# Altium PCB DM3370.PcbDoc (part 4 of 9)
Units mm, origin at the board's own origin, x right, y up, seen from the top; angles counter-clockwise.
Board outline 114.8 x 103.43 mm, 6 copper layers (Top Copper, GND 1, PWR, Signal Layer 1, GND 2, Bottom Copper), stack 1.599 mm thick; 540 components, 427 nets, 2136 pads, 1770 vias.
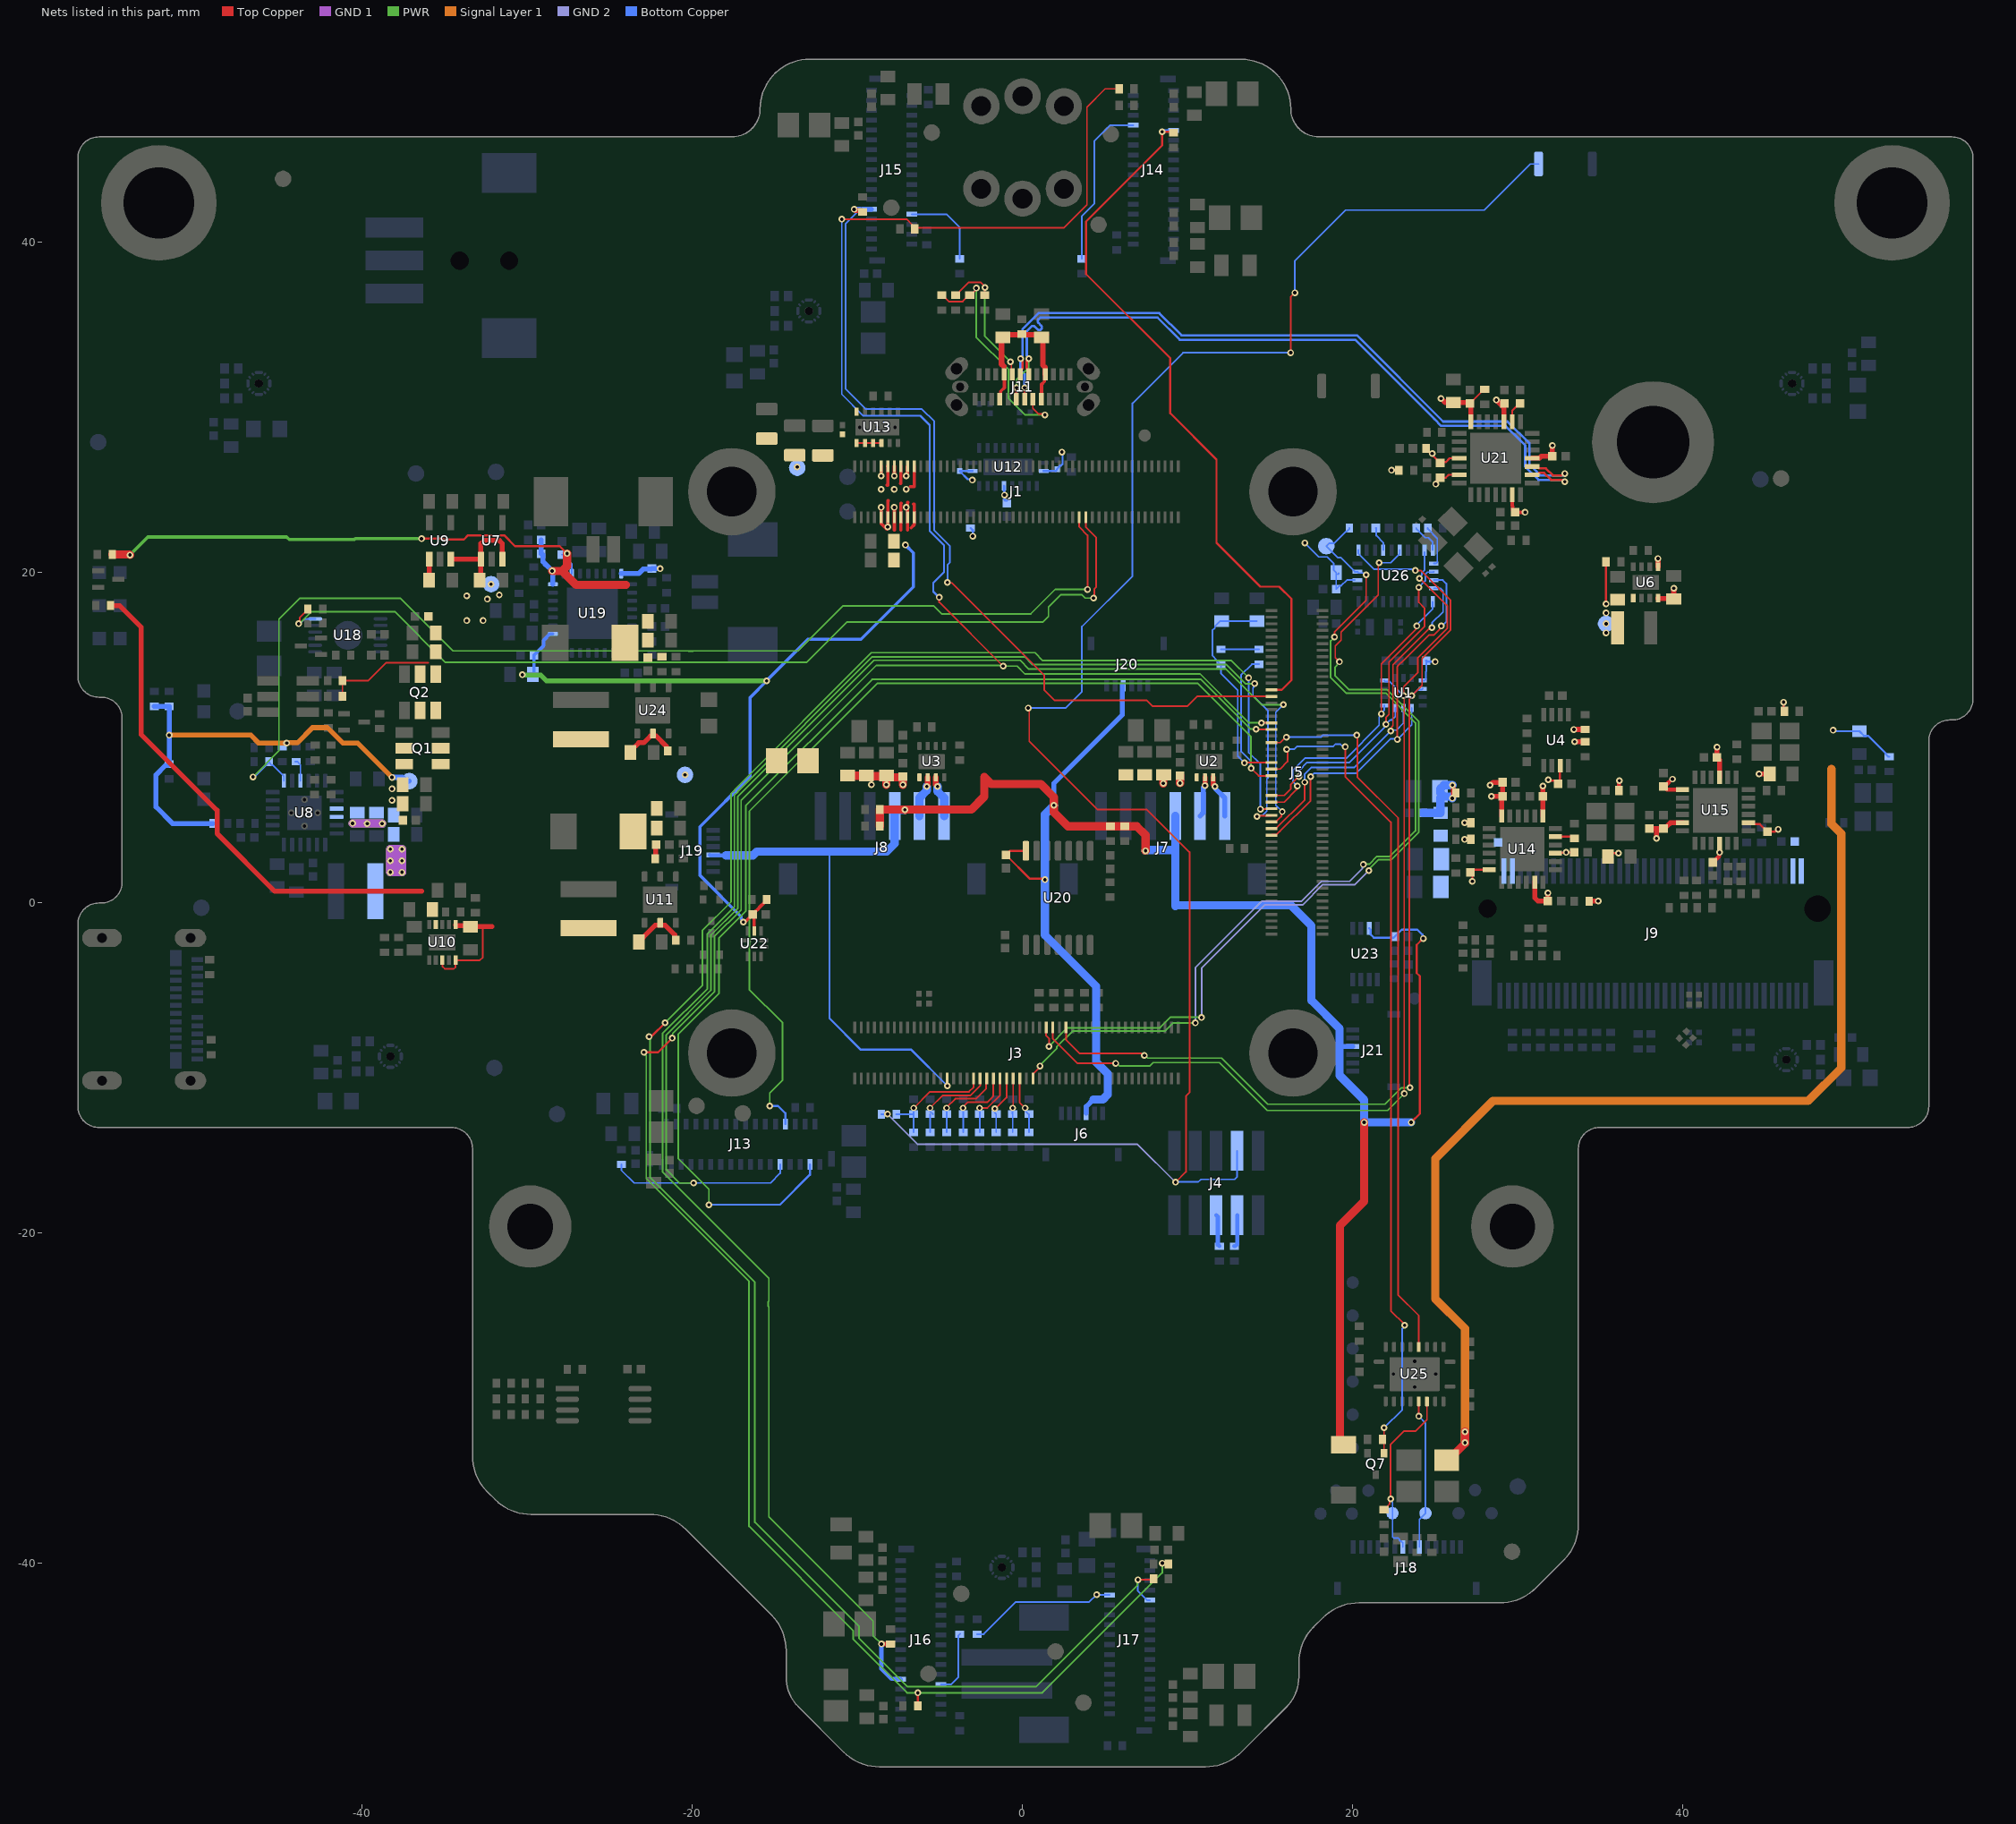
[diagram p8: the nets of this part, all layers, seen from the top]

## Via types
v1: diameter 0.406, hole 0.203, Top Copper to Bottom Copper, tented both sides, 1733 vias
v2: diameter 0.508, hole 0.254, Top Copper to Bottom Copper, 16 vias
v3: diameter 0.5, hole 0.2, Top Copper to Bottom Copper, 13 vias
v4: diameter 0.6, hole 0.3, Top Copper to Bottom Copper, 6 vias
v5: diameter 0.406, hole 0.203, Top Copper to Bottom Copper, 2 vias

## Nets (pads, with @x,y where several pads share a name; then routed paths per layer and width w, separated by ;. In a path a pad name is that pad's centre, name@x,y a point inside that pad or via, vN(x,y) a via of type N, cw(c..) or ccw(c..) an arc to the next point about the centre after c; other vN are vias at no path point) (continued)
3V3: C1.2 C17.2 C18.2 C20.2 C26.2 C45.2 C46.2 C47.2 C60.1 C61.1 C62.1 C63.1 C64.1 C65.2 C67.1 C68.1 C69.1 C70.1 C71.1 C72.2 C132.2 C133.2 C145.1 C151.2 C152.2 C153.2 C154.2 C155.2 C156.2 C157.2 C173.2 C174.2 FB1.2 FB2.2 FB3.2 FB7.1 FB20.1 L1.2 R39.2 R54.2 R55.2 R59.2 R78.2 R87.2 R89.2 R90.1 R96.2 R101.1 R103.1 R104.1 R105.1 R112.2 R175.2 TP1.1 U1.8 U4.7 U6.5 U12.1 U12.6 U12.10 U14.1 U14.6 U14.12 U14.17 U14.21 U15.3 U15.7 U15.11 U15.16 U15.20 U19.10 U21.4 U21.10 U21.14 U21.18 U21.20 U21.27 U22.9 U26.3 | length 186.5
  Top Copper w0.102: C154.2@27.1,30.25 27.776,30.926 27.776,30.976 27.95,31.15 R87.2@28,31.15 ; C70.1@38.825,7.05 C70.1@39.025,6.85
  Top Copper w0.127: v1(22.35,26.2) R89.2@22.8,26.2 ; R175.2@24.4,27.45 24.468,27.45 24.63,27.289 24.664,27.289 24.744,27.209 v1(24.819,27.209) 24.873,27.155 24.873,27.077 C156.2@25.3,26.65 25.338,26.688 25.638,26.688 25.877,26.927 U21.18@26.452,26.927 ; v1(25.035,25.36) 25.035,25.435 25.104,25.503 25.104,25.553 C155.2@25.3,25.75 25.638,25.75 25.815,25.927 U21.20@26.452,25.927 ; v1(26.78,3.834) 27.159,3.834 R105.1@27.175,3.85 ; v1(26.78,4.85) R104.1@27.14,4.85 ; v1(27.25,1.3) 27.25,1.725 C60.1@27.125,1.85 27.275,2 U14.12@28.275,2 ; v1(31.85,7.45) 31.926,7.45 31.979,7.397 32.253,7.397 C20.2@32.45,7.2 ; U14.21@32.275,3 32.425,3 32.45,3.025 32.9,3.025 v1(32.925,3.05) C62.1@33.425,3.05 ; C20.2@32.547,7.2 32.547,8.328 U4.7@32.575,8.3 ; v1@35.25,18.05 35.35,18.15 R59.2@35.35,20.65 ; v1@35.274,16.9 v1(35.35,16.9) ; FB2.2@35.479,2.982 35.502,3.005 v1(36.096,3.005) ; U15.20@43.975,4.85 44.061,4.764 44.661,4.764 C68.1@45.125,4.3 45.572,4.3 45.722,4.45 v1(45.775,4.45) ; v1(46.1,12.15) 46.1,11.65 R112.2@46.15,11.6
  Top Copper w0.2: v1(-16.914,-1.167) -16.874,-1.127 -16.777,-1.127 -16.51,-0.86 -16.51,-0.56 -16.5,-0.55 C145.1@-16.2,-0.55 ; U22.9@-16.25,-1.713 -16.262,-1.7 -16.262,-0.788 C145.1@-16.35,-0.7 C145.1@-16.2,-0.55 ; R90.1@-15.5,0.2 -15.5,0.15 R90.1@-15.625,0.025 ; v1(26.038,6.33) 26.045,6.337 26.045,7.113 v1(26.052,7.12) 26.052,7.064 26.125,6.992 26.125,6.775 R101.1@26.25,6.65 ; U21.27@29.662,24.717 29.662,24.031 29.69,24.003 29.69,23.81 29.75,23.75 C151.2@29.9,23.75 ; C151.2@29.85,23.65 v1(30.45,23.65) ; C145.1@-16.2,-0.55 C145.1@-16.19,-0.54 ; C145.1@-16.19,-0.54 -16.012,-0.362 -16.012,-0.356 ; C145.1@-16.19,-0.54 -16.19,-0.535 -16.012,-0.356 ; -16.012,-0.356 -15.894,-0.238 ; -15.894,-0.238 -15.63,0.025 R90.1@-15.625,0.025 ; -15.894,-0.238 -15.888,-0.238 R90.1@-15.625,0.025
  Top Copper w0.254: R96.2@36.125,6.8 36.137,6.812 36.137,7.388 v1(36.15,7.4) ; C70.1@38.825,7.05 38.958,7.183 39.033,7.183 39.342,7.492 v1(39.374,7.492) ; C70.1@39.025,6.85 U15.7@39.975,6.85 ; C67.1@41.825,2.45 42.2,2.825 42.2,3.019 v1(42.229,3.048) 42.227,3.051 42.227,3.598 U15.16@42.225,3.6
  Top Copper w0.3: v1(25.35,30.55) 25.6,30.3 C157.2@26.1,30.3 27.1,30.3 C154.2@27.1,30.25 27.162,30.25 U21.14@27.162,29.137 ; v1(28.323,7.123) 28.5,7.3 C65.2@29.075,7.3 C63.1@29.075,6.45 ; v1(28.4,6.45) C63.1@29.075,6.45 ; v1(28.7,30.45) 29.162,29.988 ; U14.6@29.025,5.25 29.025,6.32 29.075,6.37 C63.1@29.075,6.45 ; U21.10@29.162,29.137 29.162,29.988 ; C152.2@29.2,30.25 29.162,30.25 29.162,29.988 ; U21.4@30.872,26.927 30.877,26.932 31.322,26.932 31.44,27.05 C153.2@32.1,27.05 v1(32.1,27.7) ; U14.17@31.025,1.25 31.025,0.3 31.225,0.1 C61.1@31.825,0.1 31.828,0.103 31.828,0.585 v1(31.832,0.589) v1@31.832,0.593 ; U14.1@31.525,5.25 C64.1@31.525,6.45 v1(31.525,7.078) ; v1(33.4,10.5) R55.2@34.075,10.5 ; v1(33.45,9.75) R54.2@34.075,9.75 ; R103.1@34.325,0.1 v1(34.875,0.1) ; C71.1@37.975,4.5 38.4,4.5 ; v1(38.4,3.9) 38.4,4.5 ; U15.11@39.975,4.85 39.251,4.85 39.011,4.61 38.935,4.61 C72.2@38.825,4.5 38.4,4.5 ; v1(42.075,9.425) C69.1@42.075,8.8 42.225,8.65 U15.3@42.225,7.6 ; v1(44.625,7.8) FB3.2@45.26,7.8
  Top Copper w0.5: FB7.1@25.7,-33.75 25.8,-33.75 26.8,-32.75 v1(26.8,-32.7) v1(26.8,-32.045)
  PWR w0.3: v1(-30.304,13.808) -30.296,13.8 -29.2,13.8 -28.845,13.445 v1(-15.5,13.445)
  Signal Layer 1 w0.5: v1(26.8,-32.7) v1(26.8,-32.045) 26.8,-25.786 25,-23.986 25,-15.5 28.5,-12 47.6,-12 49.604,-9.996 49.604,4.181 49,4.785 49,8.1
  Bottom Copper w0.102: v1(17.1,21.8) 17.953,20.947 18.453,20.947 18.857,20.543 18.857,20.143 C173.2@19,20 C174.2@19,19 19.209,19.209 19.309,19.209 19.65,19.55 U26.3@20.125,19.55 ; C173.2@19.1,19.9 C173.2@19.15,19.95 ; U1.8@24.241,13.459 24.354,13.459 24.428,13.533 24.428,13.982 24.455,14.009 C1.2@24.455,14.667
  Bottom Copper w0.127: R78.2@-3.15,22.7 -3.017,22.567 v1(-3.017,22.206) ; v1(-3.05,25.6) -3.103,25.653 -3.323,25.653 -3.8,26.13 C46.2@-3.8,26.15 U12.10@-3.025,26.15 ; U12.6@-1.125,25.25 -1.111,25.236 -1.111,24.717 v1(-1.098,24.703) -1.098,24.397 -1.051,24.35 C45.2@-0.95,24.35 ; U12.1@1.275,26.15 1.98,26.15 1.984,26.154 2.004,26.154 2.1,26.25 C47.2@2.1,26.27 2.1,26.29 2.295,26.485 2.328,26.485 2.425,26.582 2.425,27.261 v1(2.381,27.305) ; C1.2@24.455,14.667 24.522,14.6 v1(25,14.6) ; v1(49.1,10.45) 49.176,10.45 49.236,10.39 FB20.1@50.7,10.39 50.978,10.112 51.238,10.112 52.288,9.062 52.288,9.012 52.45,8.85 R39.2@52.5,8.85
  Bottom Copper w0.2: v1(-30.304,13.808) -29.686,13.808 -29.607,13.887 C133.2@-29.607,14.987 -29.019,15.575 -29.019,15.9 -28.632,16.287 U19.10@-28.457,16.287 ; v1(-16.914,-1.167) -16.914,-1.111 -17.05,-0.975 -17.05,-0.839 -19.55,1.661 -19.55,4.6 -16.5,7.65 -16.5,12.445 v1(-15.5,13.445) -15.5,13.453 -12.995,15.958 -9.792,15.958 -6.618,19.132 -6.618,21.198 v1(-7.092,21.672)
  Bottom Copper w0.5: C17.2@24.25,5.45 24.255,5.445 25.305,5.445 FB1.2@25.312,5.452 ; C18.2@25.312,6.35 FB1.2@25.312,5.452 ; FB1.2@25.325,5.44 FB1.2@25.312,5.452 ; v1(26.038,6.33) 25.937,6.431 25.525,6.431 25.3,6.656 C18.2@25.3,6.75 25.3,6.895 25.525,7.12 v1(26.052,7.12)
  other v1: 35.35,16.35 35.35,17.55 35.35,18.1
3V3_WIFI: C13.2 C14.2 C15.2 C16.2 FB1.1 J9.2 J9.4 J9.72 J9.74
5V0: C52.2 C55.2 C56.2 C57.2 C134.2 C135.2 C136.2 C137.2 C144.2 C158.2 C163.1 C164.2 C165.2 D4.1 J3.30 J6.3 J7.3 J8.3 J19.3 J20.3 J21.3 R4.2 R21.2 R22.2 R25.2 R27.2 R62.2 TP32.1 U13.1 U13.2 U13.3 U13.4 U16.1 U19.16 U19.18 U19.24 U20.14 U23.7 | length 202.1
  Top Copper w0.102: U13.1@-10.05,27.85 U13.2@-9.55,27.85 U13.3@-9.05,27.85 U13.4@-8.55,27.85 ; J3.30@-4.568,-10.641 -4.559,-10.65 -4.559,-11.082 v1(-4.55,-11.091)
  Top Copper w0.127: v1(-36.412,22.054) -35.122,22.054 -35.068,22 -33.854,22 -33.597,22.256 -31.403,22.256 -30.746,21.6 -28.039,21.6 v1(-27.594,21.155) ; U20.14@0.2,3.15 -0.75,3.15 C144.2@-1,2.9 0.447,1.453 1.297,1.453 v1(1.35,1.4) ; v1(23.545,-13.3) 24.068,-12.777 24.068,-4.439 23.882,-4.253 23.882,-2.552 v1(24.276,-2.158)
  Top Copper w0.5: R4.2@-55.15,21.1 -54.115,21.1 v1(-54.081,21.066) ; v1(-28.5,20.1) -27.887,20.1 ; v1(-27.594,21.155) -27.594,20.393 -27.887,20.1 ; -24.023,19.249 -27.036,19.249 -27.887,20.1 ; R27.2@-8.65,4.65 R25.2@-8.65,5.65 v1@-7.132,5.65 ; v1(-7.123,5.641) v1@-7.132,5.65 ; v1(7.45,3.15) 7.45,4.1 6.919,4.631 R21.2@6.196,4.631 R22.2@5.319,4.631 2.751,4.631 1.898,5.484 v1(1.9,5.9) v1(1.9,5.9) 1.9,6.4 1.1,7.2 -1.9,7.2 -2.315,7.615 -2.315,6.435 -3.1,5.65 v1@-7.132,5.65 ; U16.1@19.45,-32.825 19.225,-32.6 19.225,-19.55 20.695,-18.08 20.695,-13.72 20.698,-13.717 20.698,-13.303 v1(20.695,-13.3)
  PWR w0.2: v1(-54.081,21.066) -52.992,22.155 -44.582,22.155 -44.428,22 -40.474,22 -40.421,22.054 v1(-36.412,22.054)
  Bottom Copper w0.102: C134.2@-27.907,21.087 v1@-27.594,21.087 ; v1(-27.594,21.155) v1@-27.594,21.087 ; U19.18@-27.307,19.937 -27.307,20.527 -27.494,20.714 -27.494,21.056 -27.526,21.087 v1@-27.594,21.087
  Bottom Copper w0.127: -11.594,3.1 -11.7,2.994 -11.7,-7 -9.8,-8.9 -6.741,-8.9 v1(-4.55,-11.091) ; U23.7@21,-1.55 21.087,-1.637 21.087,-1.92 21.282,-2.115 22.485,-2.115 C158.2@22.55,-2.05 22.975,-1.625 23.917,-1.625 24.222,-1.93 24.222,-2.104 v1(24.276,-2.158)
  Bottom Copper w0.254: J19.3@-18.941,2.9 -18.918,2.877 -17.977,2.877 -17.971,2.871
  Bottom Copper w0.3: C137.2@-29.157,21.137 C136.2@-29.157,21.987 ; C137.2@-29.047,21.091 -29.047,20.663 -28.914,20.529 -28.914,20.5 ; -28.899,20.515 -28.457,20.073 U19.16@-28.457,19.287 ; U19.24@-24.307,19.937 -23.257,19.937 -22.985,20.209 -22.485,20.209 C135.2@-22.457,20.237 v1(-21.957,20.237) ; v1(1.9,5.9) 1.888,5.912 1.888,7.226 6.045,11.383 6.045,12.338 6.05,12.343 J20.3@6.05,13.2 ; J6.3@3.85,-12.75 3.85,-12.344 4.282,-11.912 4.288,-11.912 ; 19.15,-8.45 19.2,-8.45 ; 19.2,-8.72 19.22,-8.7 J21.3@20,-8.7
  Bottom Copper w0.5: -17.971,2.871 -16.329,2.871 -16.1,3.1 -11.594,3.1 -8.232,3.1 -7.75,3.582 J8.3@-7.75,5.25 -7.75,5.541 -7.65,5.641 v1(-7.123,5.641) ; v1(1.9,5.9) 1.35,5.35 v1(1.35,1.4) 1.35,-1.95 4.45,-5.05 4.45,-5.64 4.456,-5.646 4.456,-9.648 5.155,-10.347 5.155,-11.619 4.862,-11.912 4.289,-11.912 ; v1(7.45,3.15) 7.5,3.2 9.25,3.2 ; J7.3@9.25,5.25 9.25,3.2 ; v1(23.545,-13.3) v1(20.695,-13.3) 20.695,-11.945 19.2,-10.45 19.2,-8.72 19.2,-8.45 19.2,-7.614 17.5,-5.914 17.5,-1.4 16.246,-0.146 9.298,-0.146 9.25,-0.194 9.25,3.2
  other v1: -13.65,26.4
11V: C41.1 C42.2 C43.2 D7.1 FB21.1 R53.2 TP29.1 | length 0.9
  Top Copper w0.3: R53.2@-22.25,2.675 -22.225,2.7 -22.225,3.5 C41.1@-22.2,3.525
  other v1: -20.45,7.75
11VM: C4.2 C5.2 C6.2 C9.2 C10.2 C11.2 FB21.2 R23.2 R26.2 U2.1 U3.1 | length 5
  Top Copper w0.5: R26.2@-10.572,7.699 C10.2@-9.449,7.699 ; C10.2@-9.45,7.7 C10.2@-9.449,7.699 ; C10.2@-9.349,7.699 C10.2@-9.449,7.699 ; v1(-8.25,7.15) v1@-8.25,7.3 ; v1(-7.25,7.15) -7.25,7.6 -8.25,7.6 -8.55,7.6 -8.62,7.67 -9.42,7.67 C10.2@-9.449,7.699 ; v1(8.527,7.233) 8.527,7.727 C5.2@8.55,7.75 ; v1(9.545,7.244) 9.545,7.695 C6.2@9.55,7.7
  other v1: -9.15,7.15
AOUT1: J7.2 U2.2 | length 2.5
  Top Copper w0.3: v1(11.05,7.1) U2.2@11.05,7.6
  Bottom Copper w0.3: J7.2@10.75,5.25 10.95,5.45 10.95,6.971 11.05,7.071 v1(11.05,7.1)
AOUT2: J7.1 U2.3 | length 2.6
  Top Copper w0.3: U2.3@11.55,7.6 11.55,7.15 v1(11.65,7.05)
  Bottom Copper w0.3: v1(11.65,7.05) 11.67,7.03 11.67,6.93 12.25,6.35 J7.1@12.25,5.25
BACK_LIGHT: J5.50 Q7.1 R145.2 | length 50.5
  Top Copper w0.102: J5.50@15.092,8.099 15.599,8.099 16.05,8.55 16.05,9.25 v1(16,9.3) ; v1(19.553,9.45) 19.55,9.447 19.55,7.65 22.316,4.884 22.316,-24.713 23.144,-25.541 v1(23.144,-25.588) ; Q7.1@21.9,-33.35 v1(21.9,-31.8)
  Bottom Copper w0.102: v1(16,9.3) 16.45,9.3 16.616,9.466 18.813,9.466 18.953,9.606 19.247,9.606 19.345,9.508 19.495,9.508 v1(19.553,9.45) ; v1(21.9,-31.8) 23,-30.7 23,-25.8 23.144,-25.656 v1(23.144,-25.588)
BB_SYS: C25.2 C27.1 C28.2 C29.2 C30.2 C35.2 C38.2 C39.2 C44.2 C166.2 C180.2 C181.2 J1.9 J1.10 J1.11 J1.12 J1.13 J1.14 J1.15 J1.16 J1.17 J1.18 J1.19 J1.20 L3.1 L10.1 Q2.1 Q2.2 Q2.5 Q2.6 R58.2 R61.2 R63.2 R76.2 R196.2 TP31.1 U6.1 U6.8 U7.1 U7.3 U9.1 U9.3 U10.3 U10.5 U10.6 U10.9 U11.2 U24.2 | length 76.1
  Top Copper w0.102: R58.2@-41.2,12.5 R61.2@-41.2,13.45 -39.65,13.45 -38.567,14.533 -37.627,14.533 -36.017,14.533 -36,14.55 ; U10.3@-35.15,-3.48 -35.15,-3.85 -35,-4 -34.45,-4 -34.35,-3.9 U10.5@-34.35,-3.48 -32.88,-3.48 -32.7,-3.3 -32.7,-1.6
  Top Copper w0.2: v1(-8.569,23.949) J1.10@-8.568,23.359 -8.568,22.973 v1@-8.221,22.626 ; v1@-8.567,25.85 J1.9@-8.568,26.439 ; -8.2,25.3 -8.168,25.3 J1.11@-8.168,26.439 J1.11@-8.169,26.439 ; J1.12@-8.168,23.359 -8.168,24.35 -8.15,24.35 ; v1(-8.167,22.769) J1.12@-8.168,23.359 ; -7.768,22.568 J1.14@-7.768,23.359 v1(-7.769,23.949) ; v1@-7.767,25.85 J1.13@-7.768,26.439 ; -7.4,25.4 -7.368,25.4 J1.15@-7.368,26.439 ; -7.368,22.568 J1.16@-7.368,23.359 -7.368,24.2 -7.35,24.2 ; v1(-7.054,25.85) -7.054,25.888 -6.978,25.965 -6.978,26.429 J1.17@-6.968,26.439 ; -6.968,22.568 J1.18@-6.968,23.359 -6.968,24.25 -6.95,24.25 ; -6.8,25.2 -6.568,25.2 J1.19@-6.568,26.439 ; -6.747,22.714 -6.568,22.893 J1.20@-6.568,23.359 -6.568,24.15 -6.6,24.15
  Top Copper w0.3: R196.2@-55.25,18 -54.7,18 -53.4,16.7 -53.4,10.2 -48.8,5.6 -48.8,4.2 -45.3,0.7 -36.4,0.7 ; C35.2@-35.95,19.55 U9.1@-35.95,20.821 ; U9.3@-34.65,20.821 U7.1@-32.812,20.821 ; U10.6@-34.35,-1.321 -34.35,-1.362 -34.327,-1.385 -33.515,-1.385 C38.2@-33.45,-1.45 -32.15,-1.45 ; C30.2@-32.9,19.55 -32.812,19.638 U7.1@-32.812,20.821 ; U7.3@-31.512,20.821 -31.512,21.759 -31.695,21.941 -32.63,21.941 -32.812,21.759 U7.1@-32.812,20.821 ; C166.2@-23.75,9.1 -23.75,9.2 -23.252,9.698 -22.952,9.698 -22.55,10.1 -22.425,10.1 U24.2@-22.4,10.125 ; C44.2@-23.25,-2.355 -23.25,-2.275 -23.05,-2.075 -22.97,-2.075 -22.249,-1.354 -21.975,-1.354 U11.2@-21.95,-1.329 ; U24.2@-22.4,10.25 U24.2@-22.4,10.125 ; U11.2@-21.95,-1.204 U11.2@-21.95,-1.329 ; R63.2@-21.5,9.2 -21.575,9.275 -21.575,9.481 -22.194,10.1 -22.375,10.1 U24.2@-22.4,10.125 ; R76.2@-21,-2.275 -21.075,-2.2 -21.075,-1.941 -21.662,-1.354 -21.925,-1.354 U11.2@-21.95,-1.329 ; U6.8@38.5,18.45 38.5,18.435 38.51,18.425 39.425,18.425 C25.2@39.45,18.4 v1(39.45,19.05) ; U6.1@38.5,20.35 v1(38.5,20.85)
  other v1: -33.677,17.09 -32.677,17.09 -32.427,18.39 -33.677,18.59 -31.7,18.65 -32.197,19.3 -7.054,23.948 -8.567,25.049 -7.767,25.049 -7.054,25.05 -8.567,25.849 -7.767,25.849
BMC_SYS: C23.1 C24.2 C32.2 C40.2 C58.2 C116.2 C117.2 L2.2 Q1.1 Q1.2 Q1.5 Q1.6 R3.2 R68.1 R74.1 R189.1 R193.1 TP30.1 U8.15 U8.16 | length 57.2
  GND 1 w0.5: v1(-40.587,4.813) -38.813,4.813 v1(-38.8,4.8) ; -37.957,3.25 -37.957,1.872 -37.935,1.85 ; -37.957,3.25 v1(-37.6,3.25) v1(-37.6,2.55) v1(-37.6,1.85) -37.935,1.85 ; -37.957,3.25 v1(-38.3,3.25) v1(-38.3,2.55) v1(-38.3,1.85) -37.935,1.85
  PWR w0.5: v1(-40.587,4.813) -38.813,4.813 v1(-38.8,4.8) ; -38.001,3.25 -38.001,1.938 -37.913,1.85 ; -38.001,3.25 v1(-37.6,3.25) v1(-37.6,2.55) v1(-37.6,1.85) -37.913,1.85 ; -38.001,3.25 v1(-38.3,3.25) v1(-38.3,2.55) v1(-38.3,1.85) -37.913,1.85
  Signal Layer 1 w0.3: v1(-51.7,10.15) -46.75,10.15 -46.273,9.673 v1(-44.58,9.673) ; v1@-44.572,9.681 -44.559,9.694 -43.931,9.694 -43.015,10.609 -42.112,10.609 -41.184,9.681 -40.281,9.681 v1(-38.2,7.6)
  Signal Layer 1 w0.5: v1(-40.587,4.813) -38.813,4.813 v1(-38.8,4.8) ; -37.971,3.25 v1(-37.6,3.25) v1(-37.6,2.55) v1(-37.6,1.85) -37.948,1.85 ; -37.971,3.25 v1(-38.3,3.25) v1(-38.3,2.55) v1(-38.3,1.85) -37.948,1.85 ; -37.971,3.25 -37.971,1.872 -37.948,1.85
  GND 2 w0.5: v1(-40.587,4.813) -38.813,4.813 v1(-38.8,4.8) ; -38.001,3.25 -38.001,1.903 -37.948,1.85 ; -38.001,3.25 v1(-37.6,3.25) v1(-37.6,2.55) v1(-37.6,1.85) -37.948,1.85 ; -38.001,3.25 v1(-38.3,3.25) v1(-38.3,2.55) v1(-38.3,1.85) -37.948,1.85
  Bottom Copper w0.3: R3.2@-52.6,11.9 R74.1@-51.7,11.9 v1(-51.7,10.15) R68.1@-51.7,8.55 ; R68.1@-51.7,8.4 -51.775,8.325 -51.925,8.325 -52.5,7.75 -52.5,5.8 -51.5,4.8 R193.1@-49.05,4.8 ; v1(-38.2,7.6) -37.569,7.6 -37.339,7.37 TP30.1@-37.15,7.37
  other v1: -39.7,4.8 -38.2,6.2 -38.2,6.9
BMI270_CS_1V8: J5.70 U1.12 U26.18 | length 24.9
  Top Copper w0.102: J5.70@15.092,4.099 15.131,4.138 15.391,4.138 15.584,4.331 15.593,4.331 17.45,6.188 v1(17.45,7.647) ; v1(22.7,9.9) 22.7,14.3 22.723,14.323 22.723,14.338 22.931,14.546 22.946,14.546 24.616,16.216 24.916,16.216 25.266,16.566 25.266,16.577 25.37,16.681 v1(25.37,16.763)
  Bottom Copper w0.102: v1(17.45,7.647) 17.459,7.647 17.662,7.85 20.22,7.85 22.303,9.933 22.667,9.933 v1(22.7,9.9) 23.579,10.779 U1.12@23.579,11.797 ; U26.18@24.913,19.55 25.459,19.55 25.679,19.331 25.679,17.03 25.412,16.763 v1(25.37,16.763)
BMI270_INT_1V8: J3.61 U1.4 U26.14 | length 60.7
  Top Copper w0.102: J3.61@1.823,-7.552 1.823,-8.206 3.339,-9.722 v1(5.65,-9.722) ; v1(23.132,-11.556) 23.121,-11.545 23.121,12.509 v1(23.08,12.55) 23.08,13.077 23.956,13.953 23.956,14.846 25.725,16.616 25.725,17.987 24.062,19.65 v1(24.044,19.65)
  PWR w0.102: v1(5.65,-9.722) 5.712,-9.722 5.862,-9.872 7.72,-9.872 7.913,-9.679 11.929,-9.679 14.827,-12.577 22.111,-12.577 v1(23.132,-11.556)
  Bottom Copper w0.102: U1.4@21.916,13.459 21.967,13.408 22.214,13.408 23.072,12.55 v1(23.08,12.55) ; v1(24.044,19.65) 24.044,19.71 24.196,19.862 24.196,19.984 24.35,20.138 U26.14@24.35,21.25
BMI270_MISO_1V8: J5.60 U1.1 U26.20 | length 18.9
  Top Copper w0.102: J5.60@15.092,6.099 15.394,6.099 15.849,6.099 16.595,6.845 16.595,7.018 v1(16.654,7.076) ; v1(21.738,11.447) 21.738,14.474 23.83,16.566 23.83,16.705 v1(23.888,16.763)
  Bottom Copper w0.102: v1(16.654,7.076) 16.383,7.347 16.383,8.033 17.113,8.763 19.613,8.763 21.6,10.75 21.6,11.235 21.738,11.373 v1(21.738,11.447) 21.738,11.504 21.916,11.681 U1.1@21.916,11.959 ; v1(23.888,16.763) 23.888,16.838 24.85,17.8 U26.20@24.85,18.238
BMI270_MOSI_1V8: J5.58 U1.14 U26.17 | length 21.1
  Top Copper w0.102: J5.58@15.3,6.5 15.85,6.5 16.25,6.9 16.25,7.176 16.721,7.647 v1(16.738,7.647) ; v1(22.018,10.81) 22.018,11.224 22.2,11.406 22.2,14.572 24.347,16.719 24.347,17.853 24,18.2 v1(24,19.1)
  Bottom Copper w0.102: v1(16.738,7.647) 16.769,7.677 16.769,8.019 17.25,8.5 19.8,8.5 21.914,10.614 21.914,10.624 22.018,10.728 v1(22.018,10.81) 22.28,11.072 22.372,11.072 22.576,11.276 22.576,11.795 U1.14@22.579,11.797 ; v1(24,19.1) 24.4,19.5 24.4,19.9 24.529,20.029 24.891,20.029 U26.17@24.913,20.05
BMI270_SCK_1V8: J5.68 U1.13 U26.19 | length 23
  Top Copper w0.102: J5.68@15.092,4.499 15.352,4.499 17.094,6.241 v1(17.094,7.302) ; v1(22.3,10.4) 22.358,10.458 22.358,10.647 22.444,10.733 22.444,14.423 24.592,16.571 24.625,16.571 24.717,16.664 v1(24.8,16.664)
  Bottom Copper w0.102: v1(17.094,7.302) 17.094,7.794 17.5,8.2 20.1,8.2 v1(22.3,10.4) 22.358,10.458 22.649,10.458 23.079,10.887 U1.13@23.079,11.797 ; v1(24.8,16.664) 24.807,16.671 24.807,16.956 25.475,17.624 25.475,18.887 25.313,19.05 U26.19@24.913,19.05
BMI270_WAKE_1V8: J3.65 U1.9 U26.6 | length 62
  Top Copper w0.102: J3.65@2.623,-7.552 J3.65@2.632,-7.561 2.632,-8.285 3.479,-9.132 7.188,-9.132 7.3,-9.245 v1(7.382,-9.245) ; v1(23.477,-11.2) 23.43,-11.154 23.43,12.338 23.576,12.483 v1(23.576,12.55) 24.2,13.174 24.2,14.802 25.929,16.531 25.929,18.321 24.122,20.128 v1(23.8,20.128)
  PWR w0.102: v1(7.382,-9.245) 7.432,-9.245 7.594,-9.407 12.057,-9.407 14.85,-12.2 21.95,-12.2 22.95,-11.2 v1(23.477,-11.2)
  Bottom Copper w0.102: U26.6@20.35,21.362 20.35,21.15 21.3,20.2 23.588,20.2 23.602,20.186 23.742,20.186 v1(23.8,20.128) ; v1(23.576,12.55) 23.934,12.908 24.19,12.908 U1.9@24.241,12.959
BNO08x_BOOTN_1V8: J3.56 R183.1 TP42.1 U26.4 | length 56.7
  Top Copper w0.102: J3.56@0.632,-10.641 0.632,-10.381 1.056,-9.957 v1(1.056,-9.884) ; v1(18.9,16.1) 18.9,16.395 20.818,18.313 v1(20.818,19.859)
  PWR w0.102: v1(1.056,-9.884) 1.056,-9.841 2.069,-8.828 2.069,-8.731 3.023,-7.777 8.623,-7.777 9.123,-7.277 v1(10.471,-7.277) ; v1(18.9,16.1) 18.661,15.861 18.661,13.639 19.6,12.7 22,12.7 23.8,10.9 23.8,4.353 22.254,2.807 21.474,2.807 21.002,2.335 20.664,2.335 v1(20.645,2.316)
  GND 2 w0.102: v1@10.501,-7.308 v1(10.471,-7.277) 10.471,-3.932 14.502,0.1 16.9,0.1 18.1,1.3 19.803,1.3 20.587,2.084 20.587,2.258 v1(20.645,2.316)
  Bottom Copper w0.102: R183.1@19.8,22.7 19.8,22.65 19.626,22.476 19.576,22.476 18.872,21.772 18.572,21.772 TP42.1@18.4,21.6 19.09,20.91 19.265,20.91 20.125,20.05 U26.4@20.288,20.05 20.362,19.976 20.619,19.976 20.735,19.859 v1(20.818,19.859)
BNO08x_RSTn_1V8: J3.59 U26.11 | length 53.6
  Top Copper w0.102: J3.59@1.432,-7.561 1.432,-8.044 1.619,-8.231 1.619,-8.676 v1(1.592,-8.703) ; v1(19.2,14.6) 18.944,14.856 18.944,15.547 19.3,15.903 19.3,16.4 21.544,18.644 21.544,20.544 v1(21.6,20.6)
  PWR w0.102: v1(1.592,-8.703) 2.722,-7.573 8.327,-7.573 8.979,-6.921 10.814,-6.921 v1(10.844,-6.952) ; v1(19.2,14.6) 19.2,14.54 18.922,14.263 18.922,13.778 19.796,12.904 22.084,12.904 24.004,10.984 24.004,4.269 22.338,2.604 21.558,2.604 20.974,2.02 v1(20.974,1.946)
  GND 2 w0.102: v1(10.844,-6.952) 10.844,-3.956 14.669,-0.131 16.969,-0.131 18.196,1.096 20.125,1.096 20.499,1.471 v1(20.974,1.946)
  Bottom Copper w0.102: v1(21.6,20.6) 22.3,20.6 22.85,21.15 U26.11@22.85,21.362
BOOT0: J3.52 R10.2 R17.1 | length 3.5
  Top Copper w0.102: J3.52@-0.168,-10.641 -0.168,-12.112 v1(0.15,-12.43)
  Bottom Copper w0.102: v1(0.15,-12.43) 0.176,-12.456 0.176,-12.626 0.35,-12.8 R10.2@0.4,-12.8 R17.1@0.4,-13.9
BOOT1: J3.50 R9.2 R16.1 | length 3.3
  Top Copper w0.102: v1(-0.603,-12.43) -0.568,-12.395 J3.50@-0.568,-10.641
  Bottom Copper w0.102: v1(-0.603,-12.43) -0.603,-12.797 R9.2@-0.6,-12.8 R16.1@-0.6,-13.9
BOOT2: J3.48 R8.2 R15.1 | length 3.6
  Top Copper w0.102: v1(-1.678,-12.472) -1.643,-12.472 -0.968,-11.798 J3.48@-0.968,-10.641
  Bottom Copper w0.102: v1(-1.678,-12.472) -1.678,-12.722 R8.2@-1.6,-12.8 R15.1@-1.6,-13.9
BOOT3: J3.46 R7.2 R14.1 | length 4
  Top Copper w0.102: v1(-2.6,-12.43) -2.138,-12.43 -1.368,-11.66 J3.46@-1.368,-10.641
  Bottom Copper w0.102: R14.1@-2.6,-13.9 R7.2@-2.6,-12.8 v1(-2.6,-12.43)
BOOT4: J3.44 R6.2 R13.1 | length 4.7
  Top Copper w0.102: v1(-3.6,-12.43) -3.6,-12.36 -3.314,-12.074 -2.123,-12.074 -1.768,-11.719 J3.44@-1.768,-10.641
  Bottom Copper w0.102: R13.1@-3.6,-13.9 R6.2@-3.6,-12.8 v1(-3.6,-12.43)
BOOT5: J3.42 R155.2 R157.1 | length 5
  Top Copper w0.102: v1(-4.6,-12.43) -4.6,-12.4 -4.07,-11.87 -2.822,-11.87 -2.207,-11.255 -2.207,-10.68 J3.42@-2.168,-10.641
  Bottom Copper w0.102: R157.1@-4.6,-13.9 R155.2@-4.6,-12.8 v1(-4.6,-12.43)
BOOT6: J3.40 R154.2 R156.1 | length 5.6
  Top Copper w0.102: v1(-5.6,-12.43) -4.837,-11.667 -3.151,-11.667 -2.569,-11.084 J3.40@-2.568,-10.641 J3.40@-2.568,-10.641
  Bottom Copper w0.102: R156.1@-5.6,-13.9 R154.2@-5.6,-12.8 ; v1(-5.6,-12.43) -5.6,-12.626 R154.2@-5.426,-12.8
BOOT7: J3.38 R5.2 R11.2 R12.1 | length 7.2
  Top Copper w0.102: v1(-6.6,-12.43) -5.617,-11.447 -3.247,-11.447 -2.968,-11.168 J3.38@-2.968,-10.641
  Bottom Copper w0.102: R11.2@-7.65,-12.8 R5.2@-6.6,-12.8 ; R12.1@-6.6,-13.9 -6.6,-13.35 R5.2@-6.6,-12.8 ; v1(-6.6,-12.43) R5.2@-6.6,-12.8
BOOT_SEL: B3.2 J4.7 R11.1 | length 116
  Top Copper w0.102: v1(0.344,11.796) 0.402,11.738 0.402,9.794 4.549,5.647 7.532,5.647 10.115,3.064 10.115,-11.485 9.9,-11.7 9.9,-16.297 v1(9.268,-16.929) ; v1(16.246,33.321) 16.246,36.695 16.495,36.944 v1(16.495,36.95)
  GND 2 w0.102: v1(-8.18,-12.8) -6.354,-14.626 6.966,-14.626 v1(9.268,-16.929)
  Bottom Copper w0.102: R11.1@-8.55,-12.8 v1(-8.18,-12.8) ; v1(0.344,11.796) 2.596,11.796 3.6,12.8 3.6,16.734 6.654,19.788 6.654,30.254 9.721,33.321 v1(16.246,33.321) ; v1(9.268,-16.929) 9.295,-16.902 10.65,-16.902 10.803,-16.75 12.85,-16.75 13.001,-16.599 J4.7@13.001,-15.023 ; v1(16.495,36.95) 16.495,38.895 19.556,41.956 27.962,41.956 30.757,44.75 B3.2@31.263,44.75
BOUT1: J8.2 U3.2 | length 3
  Top Copper w0.35: v1(-5.8,7.05) -5.8,7.065 -5.75,7.115 U3.2@-5.75,7.6
  Bottom Copper w0.102: J8.2@-6.25,5.25 J8.2@-5.951,5.549
  Bottom Copper w0.5: J8.2@-6.25,5.25 -6.25,6.35 -5.8,6.8 v1(-5.8,7.05)
BOUT2: J8.1 U3.3 | length 3
  Top Copper w0.35: U3.3@-5.25,7.6 -5.25,7.165 -5.15,7.065 v1(-5.15,7.05)
  Bottom Copper w0.127: J8.1@-5.037,5.537 J8.1@-4.75,5.25
  Bottom Copper w0.5: v1(-5.15,7.05) -5.15,6.75 -4.75,6.35 J8.1@-4.75,5.25
CAM_A_CLK: J5.38 J13.3 | length 70.4
  Top Copper w0.102: v1(14.153,10.521) 14.164,10.51 15.081,10.51 J5.38@15.092,10.499
  PWR w0.102: v1(-19,-18.3) -19,-17.35 -20.855,-15.495 -20.855,-7.955 -18.398,-5.498 -18.398,-2.148 -16.769,-0.519 -16.769,5.871 -9.112,13.528 10.805,13.528 13.81,10.523 14.151,10.523 v1(14.153,10.521)
  Bottom Copper w0.127: v1(-19,-18.3) -18.982,-18.282 -14.688,-18.282 -12.882,-16.476 J13.3@-12.882,-15.85
CAM_A_PWR: J5.26 J14.9 R131.1 | length 43.6
  Top Copper w0.125: R131.1@9.15,46.643 9.093,46.7 v1(8.45,46.7) 8.45,45.869 3.85,41.269 3.85,38.081 8.95,32.981 8.95,29.65 11.75,26.85 11.75,21.8 14.4,19.15 15.55,19.15 16.297,18.403 16.297,13.497 15.699,12.899 J5.26@15.092,12.899
  Bottom Copper w0.125: v1@8.619,46.793 J14.9@9.15,46.793
CAM_D_PWR: J5.28 J15.9 R132.1 | length 52.8
  Top Copper w0.102: v1(-4.55,19.4) -4.525,19.375 -4.275,19.375 1.308,13.792 1.308,12.892 1.944,12.256 7.529,12.256 7.885,11.9 9.978,11.9 10.577,12.499 J5.28@15.092,12.499
  Top Copper w0.3: v1(-10.2,42) -10.171,42 -10.096,41.925 -9.775,41.925 R132.1@-9.7,41.85
  Bottom Copper w0.102: -9.671,42.007 -9.843,42.007 -10.713,41.137 -10.713,31.113 -9.5,29.9 -6.1,29.9 -5.352,29.152 -5.352,22.552 -4.4,21.6 -4.4,20.616 -4.54,20.476 -4.54,19.41 v1(-4.55,19.4)
  Bottom Copper w0.3: v1(-10.2,42) -10.193,42.007 -9.843,42.007 ; -9.671,42.007 J15.9@-9.15,42.007
CAM_E_PWR: J5.66 J13.9 R126.1 | length 82.9
  Top Copper w0.102: J5.66@15.092,4.899 15.352,4.899 15.675,5.222 15.675,5.46 v1(15.733,5.519)
  PWR w0.102: v1(-19.932,-16.971) -20.779,-16.971 -21.587,-16.163 -21.587,-8.006 -18.88,-5.298 -18.88,-1.948 -17.252,-0.32 -17.252,6.276 -17.25,6.278 -17.25,6.44 -9.002,14.689 -0.144,14.689 0.39,14.155 12.325,14.155 14.48,12 v1(15.8,12)
  Bottom Copper w0.102: R126.1@-24.3,-15.85 -24.3,-16.2 -23.529,-16.971 v1(-19.932,-16.971) ; v1@-19.905,-16.945 -19.879,-16.971 -15.271,-16.971 -14.682,-16.382 J13.9@-14.682,-15.85 ; v1(15.733,5.519) 15.338,5.913 15.338,11.538 v1(15.8,12)
CAM_FS_A: J5.52 J13.8 R20.2 | length 66.3
  Top Copper w0.102: v1(13.843,8.143) 14.299,7.687 15.08,7.687 J5.52@15.092,7.699
  PWR w0.102: v1(-15.316,-12.303) -15.316,-11.516 -14.55,-10.75 -14.55,-7.25 -16.55,-5.25 -16.55,5.54 -8.807,13.283 10.617,13.283 13.843,10.057 v1(13.843,8.143)
  Bottom Copper w0.102: v1(13.843,8.143) 13.797,8.188 13.797,8.617 13.237,9.178 13.237,12.951 13.23,12.958 13.23,13.781 13.899,14.45 R20.2@14.325,14.45
  Bottom Copper w0.127: v1(-15.316,-12.303) -14.811,-12.303 -14.375,-12.739 J13.8@-14.375,-13.4
CAM_FS_ALL: R18.1 R20.1 | length 2.3
  Bottom Copper w0.102: R18.1@12.025,15.35 13,15.35 R20.1@14.325,15.35
CAM_FS_ST: J5.48 R18.2 R135.2 R144.2 | length 13.5
  Top Copper w0.102: v1(13.442,8.47) 13.47,8.499 J5.48@15.092,8.499
  Bottom Copper w0.102: v1(13.442,8.47) 13.033,8.878 13.033,12.867 12.025,13.875 R18.2@12.025,14.45 11.975,14.45 11.801,14.624 11.801,14.674 11.5,14.975 11.5,16.5 11.651,16.651 11.651,16.751 11.95,17.05 R144.2@12.05,17.05 R135.2@14.2,17.05
CAM_FS_ST1: J16.8 R142.2 | length 3.9
  Bottom Copper w0.102: J16.8@-4.938,-47.342 -4.34,-47.342 -3.884,-46.887 -3.884,-44.384 R142.2@-3.773,-44.273
CAM_FS_ST2: J17.8 R143.2 | length 9
  Bottom Copper w0.102: R143.2@-2.75,-44.3 -2.35,-44.3 -0.397,-42.347 4.04,-42.347 v1(4.487,-41.9) 4.501,-41.914 5.249,-41.914 J17.8@5.263,-41.928
CAM_FS_ST3: J14.8 R133.2 | length 10.2
  Bottom Copper w0.102: R133.2@3.6,39 3.6,41.6 4.35,42.35 4.35,46.145 5.305,47.1 J14.8@6.7,47.1
CAM_FS_ST4: J15.8 R134.2 | length 5.1
  Bottom Copper w0.102: J15.8@-6.7,41.7 -4.597,41.7 -3.8,40.903 R134.2@-3.8,39
CAM_L_PWR: J5.64 J16.9 R140.1 | length 107.8
  Top Copper w0.102: v1(14.056,13.279) v1@14.065,13.289 ; v1(14.202,5.224) 14.24,5.261 15.054,5.261 J5.64@15.092,5.299
  Top Copper w0.25: v1(-8.55,-44.9) R140.1@-8,-44.9
  PWR w0.102: v1(-8.55,-44.9) -9.056,-44.394 -9.056,-43.494 -15.367,-37.183 -15.367,-24.486 -15.406,-24.447 -15.406,-24.153 -15.367,-24.114 -15.367,-22.743 -21.813,-16.297 -21.813,-7.929 -19.094,-5.21 -19.094,-1.894 -19.084,-1.884 -19.084,-1.864 -17.456,-0.236 -17.456,6.523 -17.252,6.726 -17.252,6.757 -9.117,14.892 0.122,14.892 0.576,14.438 12.329,14.438 13.5,13.268 14.044,13.268 v1(14.056,13.279)
  Bottom Copper w0.102: v1(14.056,13.279) 13.997,13.221 13.997,13.044 13.955,13.002 13.955,12.545 14.856,11.644 14.856,7.552 14.8,7.496 14.8,5.56 14.522,5.282 14.26,5.282 v1(14.202,5.224) v1@14.202,5.306
  Bottom Copper w0.25: v1(-8.55,-44.9) -8.55,-46.403 -7.953,-47 -7.913,-47 -7.902,-47.01 -7.412,-47.01 J16.9@-7.387,-47.035
CAM_R_PWR: J5.62 J17.9 R141.1 | length 126.7
  Top Copper w0.102: v1(6.987,-41) 7.888,-41 R141.1@7.938,-40.95 ; v1(13.7,13.624) v1@13.737,13.661 ; v1(14.41,5.673) 14.423,5.686 15.079,5.686 J5.62@15.092,5.699
  Top Copper w0.127: v1(-22.626,-8.1) -22.572,-8.047 -22.434,-8.047 v1(-21.652,-7.265)
  PWR w0.102: v1(-22.626,-8.1) -22.573,-8.153 -22.573,-16.625 -16.215,-22.983 -16.215,-37.526 -9.9,-43.841 -9.9,-44.55 -6.969,-47.481 0.819,-47.481 6.944,-41.356 6.944,-41.044 v1(6.987,-41) ; v1(-21.652,-7.265) -19.4,-5.013 -19.4,-1.686 -17.659,0.055 -17.659,6.607 -17.456,6.811 -17.456,6.842 -9.15,15.147 0.757,15.147 1.231,14.673 12.65,14.673 v1(13.7,13.624)
  Bottom Copper w0.102: v1(6.987,-41) 6.987,-41.685 7.538,-42.235 J17.9@7.713,-42.235 ; v1(13.7,13.624) 13.7,9.1 14.41,8.39 v1(14.41,5.673)
CAM_ST_CLK: J5.36 R159.1 R160.1 R161.1 R162.1 | length 178.6
  Top Copper w0.102: v1(-10.952,41.402) -7.033,41.402 -6.706,41.074 -6.706,41.042 -6.539,40.875 2.488,40.875 3.9,42.287 3.9,48.2 5,49.3 R159.1@5.85,49.3 ; v1(-5.05,18.5) -5.05,18.203 v1(-1.18,14.333) ; v1(8.467,-40) 8.787,-40 R162.1@8.837,-40.05 ; v1(14.474,10.898) J5.36@15.092,10.899
  Top Copper w0.127: v1(-22.942,-9.06) -22.079,-9.06 v1(-21.22,-8.201) ; R161.1@-6.35,-48.75 v1(-6.35,-47.85)
  PWR w0.102: v1(-22.942,-9.06) -22.942,-9.128 -22.798,-9.272 -22.798,-16.711 -16.574,-22.936 -16.574,-37.768 -10.265,-44.077 -10.265,-44.585 -7,-47.85 1.2,-47.85 8.467,-40.583 v1(8.467,-40) ; v1(-21.22,-8.201) -21.198,-8.18 -21.198,-7.923 -18.663,-5.388 -18.663,-2.038 -17.049,-0.423 -17.049,6.192 -8.864,14.377 -1.224,14.377 v1(-1.18,14.333) -0.333,14.333 0.139,13.861 10.76,13.861 13.723,10.898 v1(14.474,10.898)
  Bottom Copper w0.102: v1(-10.952,41.402) -10.952,30.802 -9.65,29.5 -6.2,29.5
  Bottom Copper w0.127: -6.2,29.5 -5.624,28.924 -5.624,22.518 -4.756,21.65 -4.756,20.023 -5.406,19.373 -5.406,18.856 v1(-5.05,18.5)
CAP: C177.1 U26.9 | length 1.5
  Bottom Copper w0.102: C177.1@21.4,22.7 21.427,22.673 21.427,22.239 21.85,21.815 U26.9@21.85,21.362
CC1: J11.A5 R81.1 R83.1 | length 8.7
  Top Copper w0.102: R83.1@-4.05,36.8 -4,36.8 -3.826,36.974 -3.826,37.024 -3.266,37.584 -2.54,37.584 -2.283,37.326 v1(-2.283,37.266) -2.283,36.817 R81.1@-2.3,36.8 ; v1(-0.738,32.772) -0.682,32.715 -0.682,32.067 J11.A5@-0.625,32.01
  PWR w0.102: v1(-2.283,37.266) -2.283,34.316 v1(-0.738,32.772)
CC2: J11.B5 R82.1 R84.1 | length 14.2
  Top Copper w0.102: R84.1@-4.9,36.8 -4.85,36.8 -4.472,36.422 -3.628,36.422 -3.25,36.8 -3.15,36.8 -2.802,37.148 v1(-2.802,37.228) ; J11.B5@0.625,30.5 0.625,29.961 0.985,29.601 1.299,29.601 v1(1.35,29.55)
  PWR w0.102: v1(-2.802,37.228) -2.812,37.218 -2.812,34.262 -0.85,32.3 -0.85,30.55 0.15,29.55 v1(1.35,29.55)
CE: R192.2 U8.9 | length 1.3
  Bottom Copper w0.102: R192.2@-44.05,8.55 -43.95,8.55 -43.75,8.35 U8.9@-43.75,7.385
CHG_INT: J1.70 R70.2 U8.7 | length 70.5
  Top Copper w0.102: J1.70@3.432,23.359 3.432,22.768 3.937,22.263 v1(3.937,18.983)
  PWR w0.102: v1(-46.627,7.627) -45.047,9.206 -45.047,17.182 -43.779,18.45 -37.694,18.45 -34.499,15.255 -20.258,15.255 -20.247,15.244 -19.953,15.244 -19.942,15.255 -13.595,15.255 -10.86,17.99 -5.39,17.99 -4.9,17.5 0.5,17.5 1.985,18.985 3.936,18.985 v1(3.937,18.983)
  Bottom Copper w0.102: v1(-46.627,7.627) -46.568,7.685 -46.465,7.685 R70.2@-45.65,8.5 ; R70.2@-45.65,8.55 R70.2@-45.65,8.5 ; U8.7@-44.75,7.385 -44.75,7.675 -45.401,8.326 -45.476,8.326 R70.2@-45.65,8.5
CLK_IN: R97.2 U14.23 | length 1.2
  Top Copper w0.127: U14.23@32.275,4 33.325,4 R97.2@33.425,3.9
CRFILT: C150.2 U21.9 | length 1.4
  Top Copper w0.127: U21.9@29.662,29.137 29.662,29.812 C150.2@30.15,30.3
CS: J18.8 R182.1 TP19.1 U25.17 | length 11.5
  Top Copper w0.102: R182.1@21.9,-36.75 21.95,-36.75 22.124,-36.576 22.124,-36.526 22.242,-36.408 22.242,-36.158 v1(22.3,-36.1) 22.3,-32.8 23.1,-32 23.808,-32 24.5,-31.308 U25.17@24.5,-30.2
  Bottom Copper w0.102: v1(22.3,-36.1) 22.3,-36.182 22.413,-36.295 22.413,-38.397 22.485,-38.469 22.751,-38.469 22.84,-38.559 22.84,-38.613 22.9,-38.673 22.938,-38.673 23.037,-38.772 J18.8@23.037,-39.022
D/C: J5.42 U25.5 | length 44
  Top Copper w0.102: J5.42@15.092,9.699 J5.42@15.092,9.699 15.609,9.7 15.94,10.032 v1(15.978,10.032) ; v1(20.25,10.15) 20.284,10.117 20.284,7.616 22.754,5.146 22.754,0.578 22.75,0.574 22.75,-23.75 24,-25 U25.5@24,-26.9
  Bottom Copper w0.102: v1(15.978,10.032) 18.068,10.032 18.187,10.15 v1(20.25,10.15)
D/C_CONN: J18.6 TP18.1 U25.16 | length 9.1
  Top Copper w0.102: v1(24,-31.1) U25.16@24,-30.2
  Bottom Copper w0.102: v1(24,-31.1) 24.412,-31.512 TP18.1@24.412,-36.972 24.037,-37.347 J18.6@24.037,-39.022
D_USB_D_N: J11.A7 J11.B7 U21.2 | length 46.4
  Top Copper w0.14: J11.B7@-0.375,30.5 -0.374,30.501 -0.374,31.199 v1(-0.373,31.2) ; v1(0.373,32.95) 0.259,32.836 0.259,32.351 0.375,32.235 J11.A7@0.375,32.01 ; U21.2@30.872,25.927 31.172,25.927 31.288,26.044 31.588,26.044 32.012,25.619 32.664,25.619 32.778,25.505 v1(32.85,25.505)
  PWR w0.102: v1(-0.373,31.2) -0.373,31.677 0.373,32.423 v1(0.373,32.95)
  Bottom Copper w0.14: v1(0.373,32.95) 0.373,33.022 0.259,33.136 0.259,34.631 0.532,34.905 cw(c0.633,34.804) 0.734,34.905 0.909,34.729 ccw(c1.01,34.83) 1.111,34.729 1.134,34.752 ccw(c1.033,34.853) 1.134,34.954 0.958,35.129 cw(c1.059,35.23) 0.958,35.331 1.078,35.45 1.283,35.45 8.172,35.45 9.522,34.1 20.15,34.1 24.95,29.3 25.367,28.883 29.267,28.883 30.15,28 30.45,27.7 30.45,26.422 30.861,26.011 31.254,25.619 32.736,25.619 v1(32.85,25.505)
D_USB_D_P: J11.A6 J11.B6 U21.3 | length 45.8
  Top Copper w0.14: J11.A6@-0.125,32.01 -0.125,32.235 -0.008,32.352 -0.008,32.836 v1(-0.123,32.95) ; v1(0.123,31.2) 0.124,31.199 0.124,30.501 J11.B6@0.125,30.5 ; U21.3@30.872,26.427 31.172,26.427 31.288,26.311 31.698,26.311 32.123,25.886 32.664,25.886 32.778,26 v1(32.85,26)
  Bottom Copper w0.14: v1(0.123,31.2) 0.123,32.027 -0.123,32.273 v1(-0.123,32.95) -0.123,33.022 -0.008,33.136 -0.008,34.742 0.967,35.717 8.283,35.717 9.633,34.367 20.261,34.367 25.478,29.15 29.378,29.15 30.717,27.811 30.717,26.533 31.364,25.886 32.736,25.886 v1(32.85,26)
D_VBUS: C48.2 C49.2 J11.A4 J11.A9 J11.B4 J11.B9 R80.2 U13.12 | length 10.4
  Top Copper w0.2: J11.B9@-1.375,30.5 -1.325,30.55 -1.325,30.975 -1.1,31.2 -1.1,31.985 -1.145,32.03 -1.145,32.495 ; J11.B4@1.125,30.5 1.15,30.525 1.15,31.4 1.325,31.575 1.325,31.96 J11.A9@1.375,32.01
  Top Copper w0.32: C48.2@-1.3,34.25 -1.144,34.406 -0.094,34.406 R80.2@-0.05,34.45 ; R80.2@-0.05,34.406 C49.2@0.85,34.406 ; C49.2@1.15,34.25 C49.2@1.233,34.167 ; J11.A9@1.375,32.01 1.375,32.412 1.233,32.555 C49.2@1.233,34.167 ; C49.2@1.44,34.402 1.233,34.194 C49.2@1.233,34.167
  Top Copper w0.35: C48.2@-1.3,34.25 -1.267,34.217 -1.267,32.617 -1.145,32.495
DBG_UART_RX: J4.6 R1.1 | length 2
  Bottom Copper w0.254: J4.6@11.731,-18.923 11.828,-19.02 11.828,-20.703 R1.1@11.925,-20.8
DBG_UART_TX: J4.8 R2.1 | length 2
  Bottom Copper w0.254: R2.1@12.825,-20.8 12.875,-20.8 13.001,-20.674 J4.8@13.001,-18.923
ENV_SCL: R184.2 U26.15 | length 1.9
  Bottom Copper w0.102: R184.2@23.85,22.7 23.85,22.65 24.388,22.112 24.583,22.112 24.85,21.845 U26.15@24.85,21.362
ENV_SDA: R185.2 U26.16 | length 2.6
  Bottom Copper w0.102: R185.2@24.55,22.7 24.55,22.65 25.128,22.072 25.128,20.624 25.054,20.55 U26.16@24.913,20.55
GGE_INT: J1.72 R198.2 U18.12 | length 59.1
  Top Copper w0.102: v1(-43.85,16.9) -43.794,16.956 -43.794,17.256 R198.2@-43.416,17.634 ; J1.72@3.832,23.359 3.832,22.768 4.456,22.144 4.456,19.109 4.347,19 4.347,18.503 v1(4.3,18.456)
  PWR w0.102: v1(-43.85,16.9) -43.796,16.9 -43.063,17.633 -38.033,17.633 -34.963,14.563 -13.087,14.563 -10.65,17 1.213,17 1.569,17.356 1.569,17.918 2.307,18.655 3.597,18.655 3.797,18.456 v1(4.3,18.456)
  Bottom Copper w0.102: v1(-43.85,16.9) -43.775,16.9 -43.475,17.2 U18.12@-42.85,17.2